# Altium PCB TempdevAmmy0803.PcbDoc (part 2 of 4)
Units mm, origin at the board's own origin, x right, y up, seen from the top; angles counter-clockwise.
Board outline 80.01 x 100.08 mm, 2 copper layers (Top Layer, Bottom Layer); 912 components, 585 nets, 2878 pads, 106 vias.
Unrouted connection lines stored in the file: 2039.
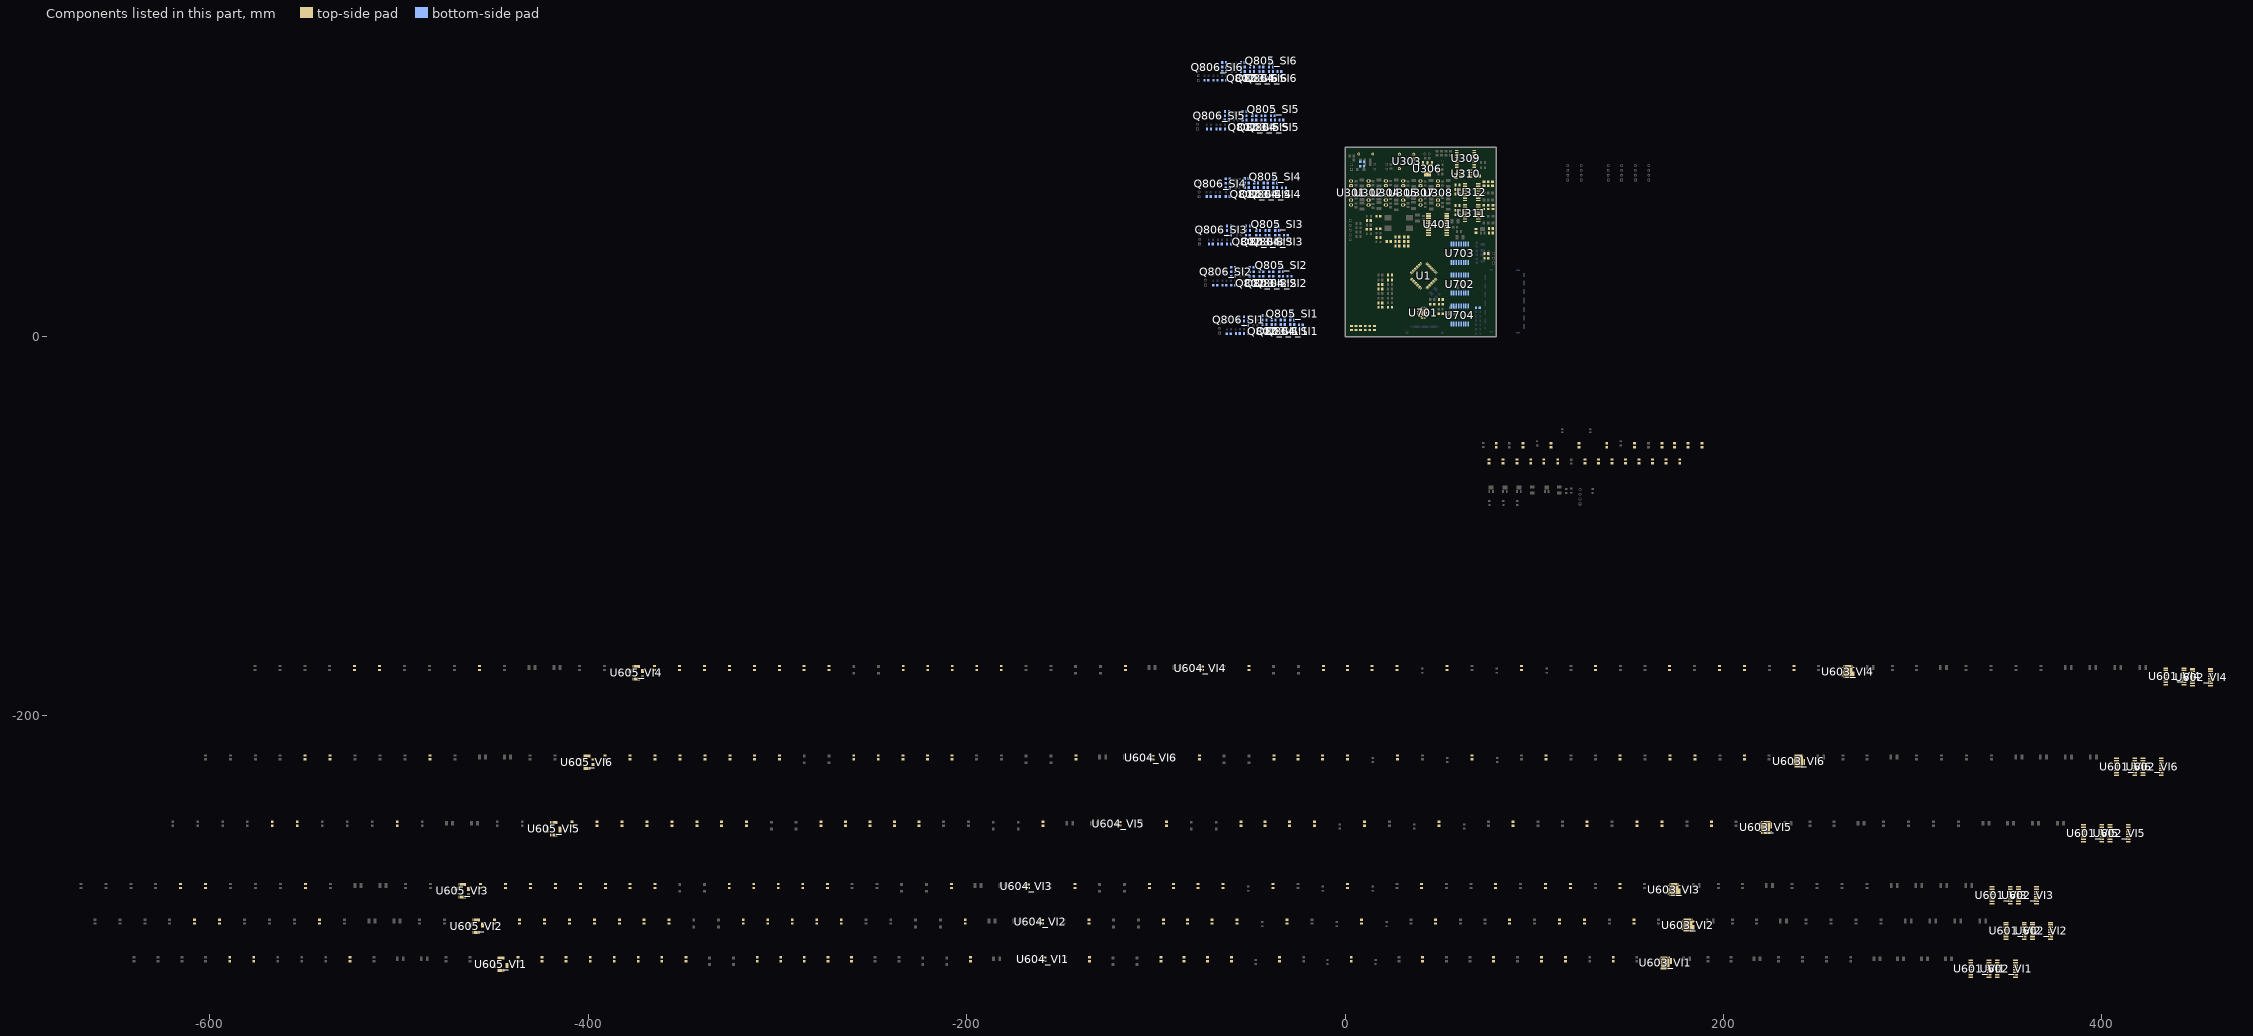
[diagram p2: the components of this part, seen from the top]

## Components (designator, comment, footprint, x,y, rotation, side; value= is the part's Value field where it differs from the comment) (continued)
Q802_SI1 "MMSS8550" SOT-23-BJT -36.576,3.871 r270 bottom (schematic designator Q802)
Q802_SI2 "MMSS8550" SOT-23-BJT -42.926,29.271 r270 bottom (schematic designator Q802)
Q802_SI3 "MMSS8550" SOT-23-BJT -44.831,50.988 r270 bottom (schematic designator Q802)
Q802_SI4 "MMSS8550" SOT-23-BJT -45.847,76.261 r270 bottom (schematic designator Q802)
Q802_SI5 "MMSS8550" SOT-23-BJT -46.863,111.694 r270 bottom (schematic designator Q802)
Q802_SI6 "MMSS8550" SOT-23-BJT -47.752,137.475 r270 bottom (schematic designator Q802)
Q803_SI1 "MMSS8050" SOT-23-BJT -31.75,3.871 r270 bottom (schematic designator Q803)
Q803_SI2 "MMSS8050" SOT-23-BJT -37.846,29.271 r270 bottom (schematic designator Q803)
Q803_SI3 "MMSS8050" SOT-23-BJT -40.005,50.988 r270 bottom (schematic designator Q803)
Q803_SI4 "MMSS8050" SOT-23-BJT -40.894,76.261 r270 bottom (schematic designator Q803)
Q803_SI5 "MMSS8050" SOT-23-BJT -41.91,111.694 r270 bottom (schematic designator Q803)
Q803_SI6 "MMSS8050" SOT-23-BJT -43.053,137.475 r270 bottom (schematic designator Q803)
Q804_SI1 "MMSS8550" SOT-23-BJT -26.797,3.871 r270 bottom (schematic designator Q804)
Q804_SI2 "MMSS8550" SOT-23-BJT -32.639,29.144 r270 bottom (schematic designator Q804)
Q804_SI3 "MMSS8550" SOT-23-BJT -34.671,50.988 r270 bottom (schematic designator Q804)
Q804_SI4 "MMSS8550" SOT-23-BJT -35.814,76.261 r270 bottom (schematic designator Q804)
Q804_SI5 "MMSS8550" SOT-23-BJT -36.957,111.694 r270 bottom (schematic designator Q804)
Q804_SI6 "MMSS8550" SOT-23-BJT -37.973,137.475 r270 bottom (schematic designator Q804)
Q805_SI1 "BSS138" SOT-23(SS8050) -26.924,11.049 r180 bottom (schematic designator Q805)
Q805_SI2 "BSS138" SOT-23(SS8050) -32.766,36.576 r180 bottom (schematic designator Q805)
Q805_SI3 "BSS138" SOT-23(SS8050) -34.798,58.293 r180 bottom (schematic designator Q805)
Q805_SI4 "BSS138" SOT-23(SS8050) -35.941,83.439 r180 bottom (schematic designator Q805)
Q805_SI5 "BSS138" SOT-23(SS8050) -37.084,118.999 r180 bottom (schematic designator Q805)
Q805_SI6 "BSS138" SOT-23(SS8050) -38.1,144.653 r180 bottom (schematic designator Q805)
Q806_SI1 "Si1024X" SOT563 -56.777,9.563 r270 bottom (schematic designator Q806)
Q806_SI2 "Si1024X" SOT563 -63.508,35.141 r270 bottom (schematic designator Q806)
Q806_SI3 "Si1024X" SOT563 -65.913,57.15 r270 bottom (schematic designator Q806)
Q806_SI4 "Si1024X" SOT563 -66.421,81.534 r270 bottom (schematic designator Q806)
Q806_SI5 "Si1024X" SOT563 -66.921,117.513 r270 bottom (schematic designator Q806)
Q806_SI6 "Si1024X" SOT563 -68.072,143.04 r270 bottom (schematic designator Q806)
R201 "RC0805JR-000KL" 0805R#1 50.673,19.685 r180 top value=0R
R202 "RC0805JR-07120RL" 0805R#1 50.673,17.145 r180 top value=120
R203 "RC0805JR-0710KL" 0805R#1 46.101,17.145 r180 top value=10K
R204 "RC0805JR-0720RL" 0805R#1 74.676,43.942 r180 top value=20
R205 "RC0805JR-0720RL" 0805R#1 74.676,41.402 r180 top value=20
R206 "RC0805JR-0710KL" 0805R#1 32.369,52.705 r0 top value=10K
R207 "RC0805JR-0710KL" 0805R#1 27.686,47.879 r180 top value=10K
R208 "RC0805JR-0710KL" 0805R#1 27.702,50.292 r180 top value=10K
R209 "RC0805JR-0710KL" 0805R#1 32.369,47.879 r0 top value=NC
R210 "RC0805JR-0710KL" 0805R#1 32.369,50.292 r0 top value=NC
R211 "RC0805JR-0710KL" 0805R#1 27.686,52.705 r180 top value=NC
R212 "RC0805JR-000KL" 0805R#1 23.098,50.292 r0 top value=0R
R213 "RC0805JR-0710KL" 0805R#1 70.231,15.24 r180 bottom value=10K
R301 "PNP-200KJBJ26-10R" 0805R#2 10.049,92.456 r180 bottom value=10
R302 "PNP-200KJBJ26-10R" 0805R#2 10.049,90.043 r180 bottom value=10
R303 "10D470K" 10D470K 10.989,96.52 r180 bottom
R304 "RC0805JR-071KL" 0805R#1 58.674,84.947 r90 top value=1K
R305 "RC0805JR-07470RL" 0805R#1 70.104,84.963 r0 top value=470
R306 "RC0805JR-071KL" 0805R#1 73.279,68.453 r270 top value=1K
R307 "RC0805JR-071KL" 0805R#1 75.692,68.453 r270 top value=1K
R308 "RC0805JR-071KL" 0805R#1 78.105,68.453 r270 top value=1K
R309 "RC0805JR-071KL" 0805R#1 73.406,80.772 r270 top value=1K
R310 "RC0805JR-071KL" 0805R#1 75.692,80.772 r270 top value=1K
R311 "RC0805JR-071KL" 0805R#1 77.978,80.772 r270 top value=1K
R312 "RC0805JR-074700RL" 0805R#1 59.452,69.215 r180 top value=4.7K
R313 "RC0805JR-074700RL" 0805R#1 59.452,66.802 r180 top value=4.7K
R314 "RC0805JR-0710KL" 0805R#1 69.215,55.864 r90 top value=10K
R315 "RC0805JR-074700RL" 0805R#1 59.452,64.389 r180 top value=4.7K
R316 "RC0805JR-074700RL" 0805R#1 59.436,80.137 r180 top value=4.7K
R317 "RC0805JR-071KL" 0805R#1 77.089,57.15 r0 top value=1K
R318 "RC0805JR-071KL" 0805R#1 77.089,54.737 r180 top value=1K
R319 "RC0805JR-074700RL" 0805R#1 59.452,77.724 r180 top value=4.7K
R320 "RC0805JR-074700RL" 0805R#1 59.452,75.311 r180 top value=4.7K
R401 "RC0805JR-0710KL" 0805R#1 12.573,61.341 r0 top value=10K
R402 "RC0805JR-0720RL" 0805R#1 17.653,63.627 r180 top value=20
R403 "" 0805R#1 12.557,56.769 r0 top value=3.9K
R404 "RC0805JR-0720RL" 0805R#1 17.637,57.023 r0 top value=20
R405 "RC0805JR-0710KL" 0805R#1 17.669,52.324 r180 top value=10K
R501 "0805L075" 0805R#1 79.883,-57.404 r270 top value=PTC
R502 "" 0805R#1 94.107,-57.404 r270 top value=NC
R503 "RC0805JR-0720RL" 0805R#1 108.839,-57.404 r270 top value=20
R504 "RC0805JR-0720RL" 0805R#1 123.571,-57.404 r270 top value=20
R505 "" 0805R#1 138.303,-57.404 r270 top value=1.5K
R506 "0805L075" 0805R#1 153.035,-57.404 r270 top value=PTC
R507 "RC0805JR-0710KL" 0805R#1 169.545,-65.913 r90 top value=10K
R508 "RC0805JR-0710KL" 0805R#1 176.911,-65.913 r90 top value=10K
R509 "RC0805JR-0710KL" 0805R#1 188.595,-57.404 r270 top value=10K
R510 "RC0805JR-0710KL" 0805R#1 181.229,-57.404 r270 top value=10K
R511 "RC0805JR-0710KL" 0805R#1 174.117,-57.404 r270 top value=10K
R512 "RC0805JR-0710KL" 0805R#1 167.513,-57.404 r270 top value=10K
R513 "RC0805JR-0710KL" 0805R#1 141.097,-65.913 r90 top value=10K
R514 "RC0805JR-0710KL" 0805R#1 148.209,-65.913 r90 top value=10K
R515 "RC0805JR-0710KL" 0805R#1 155.321,-65.913 r90 top value=10K
R516 "RC0805JR-0710KL" 0805R#1 162.433,-65.913 r90 top value=10K
R517 "RC0805JR-07120RL" 0805R#1 133.985,-65.913 r90 top value=120
R518 "RC0805JR-0710KL" 0805R#1 126.873,-65.913 r90 top value=10K
R519 "RC0805JR-07120RL" 0805R#1 112.395,-65.913 r90 top value=120
R520 "RC0805JR-0710KL" 0805R#1 105.029,-65.913 r90 top value=10K
R521 "RC0805JR-07120RL" 0805R#1 98.171,-65.913 r90 top value=120
R522 "RC0805JR-0710KL" 0805R#1 90.805,-65.913 r90 top value=10K
R523 "RC0805JR-07120RL" 0805R#1 83.439,-65.913 r90 top value=120
R524 "RC0805JR-0710KL" 0805R#1 76.073,-65.913 r90 top value=10K
R601_VI1 "RC0805JR-0710KL" 0805R#2 141.732,-330.073 r90 top value=10K (schematic designator R601)
R601_VI2 "RC0805JR-0710KL" 0805R#2 152.654,-310.134 r90 top value=10K (schematic designator R601)
R601_VI3 "RC0805JR-0710KL" 0805R#2 145.263,-291.338 r90 top value=10K (schematic designator R601)
R601_VI4 "RC0805JR-0710KL" 0805R#2 237.211,-176.149 r90 top value=10K (schematic designator R601)
R601_VI5 "RC0805JR-0710KL" 0805R#2 193.675,-258.445 r90 top value=10K (schematic designator R601)
R601_VI6 "RC0805JR-0710KL" 0805R#2 211.074,-223.393 r90 top value=10K (schematic designator R601)
R602_VI1 "RC0805JR-000KL" 0805R#2 116.586,-330.073 r90 top value=0R (schematic designator R602)
R602_VI2 "RC0805JR-000KL" 0805R#2 126.492,-310.134 r90 top value=0R (schematic designator R602)
R602_VI3 "RC0805JR-000KL" 0805R#2 119.101,-291.338 r90 top value=0R (schematic designator R602)
R602_VI4 "RC0805JR-000KL" 0805R#2 211.049,-176.149 r90 top value=0R (schematic designator R602)
R602_VI5 "RC0805JR-000KL" 0805R#2 167.513,-258.445 r90 top value=0R (schematic designator R602)
R602_VI6 "RC0805JR-000KL" 0805R#2 184.912,-223.393 r90 top value=0R (schematic designator R602)
R603_VI1 "RC0805JR-073KL" 0805R#2 103.886,-330.073 r90 top value=13.7K (schematic designator R603)
R603_VI2 "RC0805JR-073KL" 0805R#2 113.284,-310.134 r90 top value=13.7K (schematic designator R603)
R603_VI3 "RC0805JR-073KL" 0805R#2 105.893,-291.338 r90 top value=13.7K (schematic designator R603)
R603_VI4 "RC0805JR-073KL" 0805R#2 197.841,-176.149 r90 top value=13.7K (schematic designator R603)
R603_VI5 "RC0805JR-073KL" 0805R#2 154.305,-258.445 r90 top value=13.7K (schematic designator R603)
R603_VI6 "RC0805JR-073KL" 0805R#2 171.704,-223.393 r90 top value=13.7K (schematic designator R603)
R604_VI1 "RC0805JR-000KL" 0805R#2 78.486,-330.073 r90 top value=0R (schematic designator R604)
R604_VI2 "RC0805JR-000KL" 0805R#2 86.868,-310.134 r90 top value=0R (schematic designator R604)
R604_VI3 "RC0805JR-000KL" 0805R#2 79.477,-291.338 r90 top value=0R (schematic designator R604)
R604_VI4 "RC0805JR-000KL" 0805R#2 171.425,-176.149 r90 top value=0R (schematic designator R604)
R604_VI5 "RC0805JR-000KL" 0805R#2 127.889,-258.445 r90 top value=0R (schematic designator R604)
R604_VI6 "RC0805JR-000KL" 0805R#2 145.288,-223.393 r90 top value=0R (schematic designator R604)
R605_VI1 "RC0805JR-000KL" 0805R#2 40.894,-330.073 r90 top value=0R (schematic designator R605)
R605_VI2 "RC0805JR-000KL" 0805R#2 47.752,-310.134 r90 top value=0R (schematic designator R605)
R605_VI3 "RC0805JR-000KL" 0805R#2 40.361,-291.338 r90 top value=0R (schematic designator R605)
R605_VI4 "RC0805JR-000KL" 0805R#2 132.309,-176.149 r90 top value=0R (schematic designator R605)
R605_VI5 "RC0805JR-000KL" 0805R#2 88.773,-258.445 r90 top value=0R (schematic designator R605)
R605_VI6 "RC0805JR-000KL" 0805R#2 106.172,-223.393 r90 top value=0R (schematic designator R605)
R606_VI1 "" 0805R#2 3.302,-330.073 r90 top value=10R (schematic designator R606)
R606_VI2 "" 0805R#2 8.636,-310.134 r90 top value=10R (schematic designator R606)
R606_VI3 "" 0805R#2 1.245,-291.338 r90 top value=10R (schematic designator R606)
R606_VI4 "" 0805R#2 93.193,-176.149 r90 top value=10R (schematic designator R606)
R606_VI5 "" 0805R#2 49.657,-258.445 r90 top value=10R (schematic designator R606)
R606_VI6 "" 0805R#2 67.056,-223.393 r90 top value=10R (schematic designator R606)
R607_VI1 "RC0805JR-074700RL" 0805R#2 -34.544,-330.073 r90 top value=4.7K (schematic designator R607)
R607_VI2 "RC0805JR-074700RL" 0805R#2 -30.734,-310.134 r90 top value=4.7K (schematic designator R607)
R607_VI3 "RC0805JR-074700RL" 0805R#2 -38.125,-291.338 r90 top value=4.7K (schematic designator R607)
R607_VI4 "RC0805JR-074700RL" 0805R#2 53.823,-176.149 r90 top value=4.7K (schematic designator R607)
R607_VI5 "RC0805JR-074700RL" 0805R#2 10.287,-258.445 r90 top value=4.7K (schematic designator R607)
R607_VI6 "RC0805JR-074700RL" 0805R#2 27.686,-223.393 r90 top value=4.7K (schematic designator R607)
R608_VI1 "RC0805JR-071KL" 0805R#2 -59.944,-330.073 r90 top value=1K (schematic designator R608)
R608_VI2 "RC0805JR-071KL" 0805R#2 -57.15,-310.134 r90 top value=1K (schematic designator R608)
R608_VI3 "RC0805JR-071KL" 0805R#2 -64.541,-291.338 r90 top value=1K (schematic designator R608)
R608_VI4 "RC0805JR-071KL" 0805R#2 27.407,-176.149 r90 top value=1K (schematic designator R608)
R608_VI5 "RC0805JR-071KL" 0805R#2 -16.129,-258.445 r90 top value=1K (schematic designator R608)
R608_VI6 "RC0805JR-071KL" 0805R#2 1.27,-223.393 r90 top value=1K (schematic designator R608)
R609_VI1 "RC0805JR-071KL" 0805R#2 -72.644,-330.073 r90 top value=1K (schematic designator R609)
R609_VI2 "RC0805JR-071KL" 0805R#2 -70.358,-310.134 r90 top value=1K (schematic designator R609)
R609_VI3 "RC0805JR-071KL" 0805R#2 -77.749,-291.338 r90 top value=1K (schematic designator R609)
R609_VI4 "RC0805JR-071KL" 0805R#2 14.199,-176.149 r90 top value=1K (schematic designator R609)
R609_VI5 "RC0805JR-071KL" 0805R#2 -29.337,-258.445 r90 top value=1K (schematic designator R609)
R609_VI6 "RC0805JR-071KL" 0805R#2 -11.938,-223.393 r90 top value=1K (schematic designator R609)
R610_VI1 "RC0805JR-071KL" 0805R#2 -85.09,-330.073 r90 top value=1K (schematic designator R610)
R610_VI2 "RC0805JR-071KL" 0805R#2 -83.312,-310.134 r90 top value=1K (schematic designator R610)
R610_VI3 "RC0805JR-071KL" 0805R#2 -90.703,-291.338 r90 top value=1K (schematic designator R610)
R610_VI4 "RC0805JR-071KL" 0805R#2 1.245,-176.149 r90 top value=1K (schematic designator R610)
R610_VI5 "RC0805JR-071KL" 0805R#2 -42.291,-258.445 r90 top value=1K (schematic designator R610)
R610_VI6 "RC0805JR-071KL" 0805R#2 -24.892,-223.393 r90 top value=1K (schematic designator R610)
R611_VI1 "RC0805JR-071KL" 0805R#2 -97.282,-330.073 r90 top value=1K (schematic designator R611)
R611_VI2 "RC0805JR-071KL" 0805R#2 -96.012,-310.134 r90 top value=1K (schematic designator R611)
R611_VI3 "RC0805JR-071KL" 0805R#2 -103.403,-291.338 r90 top value=1K (schematic designator R611)
R611_VI4 "RC0805JR-071KL" 0805R#2 -11.455,-176.149 r90 top value=1K (schematic designator R611)
R611_VI5 "RC0805JR-071KL" 0805R#2 -54.991,-258.445 r90 top value=1K (schematic designator R611)
R611_VI6 "RC0805JR-071KL" 0805R#2 -37.592,-223.393 r90 top value=1K (schematic designator R611)
R612_VI1 "RC0805JR-073KL" 0805R#2 -135.128,-330.073 r90 top value=3K (schematic designator R612)
R612_VI2 "RC0805JR-073KL" 0805R#2 -135.382,-310.134 r90 top value=3K (schematic designator R612)
R612_VI3 "RC0805JR-073KL" 0805R#2 -142.773,-291.338 r90 top value=3K (schematic designator R612)
R612_VI4 "RC0805JR-073KL" 0805R#2 -50.825,-176.149 r90 top value=3K (schematic designator R612)
R612_VI5 "RC0805JR-073KL" 0805R#2 -94.361,-258.445 r90 top value=3K (schematic designator R612)
R612_VI6 "RC0805JR-073KL" 0805R#2 -76.962,-223.393 r90 top value=3K (schematic designator R612)
R613_VI1 "RC0805JR-000KL" 0805R#2 -197.866,-330.073 r90 top value=0R (schematic designator R613)
R613_VI2 "RC0805JR-000KL" 0805R#2 -200.66,-310.134 r90 top value=0R (schematic designator R613)
R613_VI3 "RC0805JR-000KL" 0805R#2 -208.051,-291.338 r90 top value=0R (schematic designator R613)
R613_VI4 "RC0805JR-000KL" 0805R#2 -116.103,-176.149 r90 top value=0R (schematic designator R613)
R613_VI5 "RC0805JR-000KL" 0805R#2 -159.639,-258.445 r90 top value=0R (schematic designator R613)
R613_VI6 "RC0805JR-000KL" 0805R#2 -142.24,-223.393 r90 top value=0R (schematic designator R613)
R614_VI1 "RC0805JR-000KL" 0805R#2 -260.858,-330.073 r90 top value=0R (schematic designator R614)
R614_VI2 "RC0805JR-000KL" 0805R#2 -266.192,-310.134 r90 top value=0R (schematic designator R614)
R614_VI3 "RC0805JR-000KL" 0805R#2 -273.583,-291.338 r90 top value=0R (schematic designator R614)
R614_VI4 "RC0805JR-000KL" 0805R#2 -181.635,-176.149 r90 top value=0R (schematic designator R614)
R614_VI5 "RC0805JR-000KL" 0805R#2 -225.171,-258.445 r90 top value=0R (schematic designator R614)
R614_VI6 "RC0805JR-000KL" 0805R#2 -207.772,-223.393 r90 top value=0R (schematic designator R614)
R615_VI1 "RC0805JR-073KL" 0805R#2 -285.75,-330.073 r90 top value=3K (schematic designator R615)
R615_VI2 "RC0805JR-073KL" 0805R#2 -292.1,-310.134 r90 top value=3K (schematic designator R615)
R615_VI3 "RC0805JR-073KL" 0805R#2 -299.491,-291.338 r90 top value=3K (schematic designator R615)
R615_VI4 "RC0805JR-073KL" 0805R#2 -207.543,-176.149 r90 top value=3K (schematic designator R615)
R615_VI5 "RC0805JR-073KL" 0805R#2 -251.079,-258.445 r90 top value=3K (schematic designator R615)
R615_VI6 "RC0805JR-073KL" 0805R#2 -233.68,-223.393 r90 top value=3K (schematic designator R615)
R616_VI1 "RC0805JR-0710KL" 0805R#2 -273.304,-330.073 r90 top value=10K (schematic designator R616)
R616_VI2 "RC0805JR-0710KL" 0805R#2 -279.146,-310.134 r90 top value=10K (schematic designator R616)
R616_VI3 "RC0805JR-0710KL" 0805R#2 -286.537,-291.338 r90 top value=10K (schematic designator R616)
R616_VI4 "RC0805JR-0710KL" 0805R#2 -194.589,-176.149 r90 top value=10K (schematic designator R616)
R616_VI5 "RC0805JR-0710KL" 0805R#2 -238.125,-258.445 r90 top value=10K (schematic designator R616)
R616_VI6 "RC0805JR-0710KL" 0805R#2 -220.726,-223.393 r90 top value=10K (schematic designator R616)
R617_VI1 "RC0805JR-000KL" 0805R#2 -298.196,-330.073 r90 top value=0R (schematic designator R617)
R617_VI2 "RC0805JR-000KL" 0805R#2 -305.054,-310.134 r90 top value=0R (schematic designator R617)
R617_VI3 "RC0805JR-000KL" 0805R#2 -312.445,-291.338 r90 top value=0R (schematic designator R617)
R617_VI4 "RC0805JR-000KL" 0805R#2 -220.497,-176.149 r90 top value=0R (schematic designator R617)
R617_VI5 "RC0805JR-000KL" 0805R#2 -264.033,-258.445 r90 top value=0R (schematic designator R617)
R617_VI6 "RC0805JR-000KL" 0805R#2 -246.634,-223.393 r90 top value=0R (schematic designator R617)
R618_VI1 "RC0805JR-0710KL" 0805R#2 -310.642,-330.073 r90 top value=10K (schematic designator R618)
R618_VI2 "RC0805JR-0710KL" 0805R#2 -318.008,-310.134 r90 top value=10K (schematic designator R618)
R618_VI3 "RC0805JR-0710KL" 0805R#2 -325.399,-291.338 r90 top value=10K (schematic designator R618)
R618_VI4 "RC0805JR-0710KL" 0805R#2 -233.451,-176.149 r90 top value=10K (schematic designator R618)
R618_VI5 "RC0805JR-0710KL" 0805R#2 -276.987,-258.445 r90 top value=10K (schematic designator R618)
R618_VI6 "RC0805JR-0710KL" 0805R#2 -259.588,-223.393 r90 top value=10K (schematic designator R618)
R619_VI1 "RC0805JR-000KL" 0805R#2 -348.361,-330.073 r90 top value=0R (schematic designator R619)
R619_VI2 "RC0805JR-000KL" 0805R#2 -357.251,-310.134 r90 top value=0R (schematic designator R619)
R619_VI3 "RC0805JR-000KL" 0805R#2 -364.642,-291.338 r90 top value=0R (schematic designator R619)
R619_VI4 "RC0805JR-000KL" 0805R#2 -272.694,-176.149 r90 top value=0R (schematic designator R619)
R619_VI5 "RC0805JR-000KL" 0805R#2 -316.23,-258.445 r90 top value=0R (schematic designator R619)
R619_VI6 "RC0805JR-000KL" 0805R#2 -298.831,-223.393 r90 top value=0R (schematic designator R619)
R620_VI1 "RC0805JR-0710KL" 0805R#2 -361.061,-330.073 r90 top value=10K (schematic designator R620)
R620_VI2 "RC0805JR-0710KL" 0805R#2 -370.459,-310.134 r90 top value=10K (schematic designator R620)
R620_VI3 "RC0805JR-0710KL" 0805R#2 -377.85,-291.338 r90 top value=10K (schematic designator R620)
R620_VI4 "RC0805JR-0710KL" 0805R#2 -285.902,-176.149 r90 top value=10K (schematic designator R620)
R620_VI5 "RC0805JR-0710KL" 0805R#2 -329.438,-258.445 r90 top value=10K (schematic designator R620)
R620_VI6 "RC0805JR-0710KL" 0805R#2 -312.039,-223.393 r90 top value=10K (schematic designator R620)
R621_VI1 "RC0805JR-000KL" 0805R#2 -373.507,-330.073 r90 top value=0R (schematic designator R621)
R621_VI2 "RC0805JR-000KL" 0805R#2 -383.413,-310.134 r90 top value=0R (schematic designator R621)
R621_VI3 "RC0805JR-000KL" 0805R#2 -390.804,-291.338 r90 top value=0R (schematic designator R621)
R621_VI4 "RC0805JR-000KL" 0805R#2 -298.856,-176.149 r90 top value=0R (schematic designator R621)
R621_VI5 "RC0805JR-000KL" 0805R#2 -342.392,-258.445 r90 top value=0R (schematic designator R621)
R621_VI6 "RC0805JR-000KL" 0805R#2 -324.993,-223.393 r90 top value=0R (schematic designator R621)
R622_VI1 "RC0805JR-000KL" 0805R#2 -386.207,-330.073 r90 top value=0R (schematic designator R622)
R622_VI2 "RC0805JR-000KL" 0805R#2 -396.621,-310.134 r90 top value=0R (schematic designator R622)
R622_VI3 "RC0805JR-000KL" 0805R#2 -404.012,-291.338 r90 top value=0R (schematic designator R622)
R622_VI4 "RC0805JR-000KL" 0805R#2 -312.064,-176.149 r90 top value=0R (schematic designator R622)
R622_VI5 "RC0805JR-000KL" 0805R#2 -355.6,-258.445 r90 top value=0R (schematic designator R622)
R622_VI6 "RC0805JR-000KL" 0805R#2 -338.201,-223.393 r90 top value=0R (schematic designator R622)
R623_VI1 "RC0805JR-0710KL" 0805R#2 -398.907,-330.073 r90 top value=10K (schematic designator R623)
R623_VI2 "RC0805JR-0710KL" 0805R#2 -409.829,-310.134 r90 top value=10K (schematic designator R623)
R623_VI3 "RC0805JR-0710KL" 0805R#2 -417.22,-291.338 r90 top value=10K (schematic designator R623)
R623_VI4 "RC0805JR-0710KL" 0805R#2 -325.272,-176.149 r90 top value=10K (schematic designator R623)
R623_VI5 "RC0805JR-0710KL" 0805R#2 -368.808,-258.445 r90 top value=10K (schematic designator R623)
R623_VI6 "RC0805JR-0710KL" 0805R#2 -351.409,-223.393 r90 top value=10K (schematic designator R623)
R624_VI1 "RC0805JR-0710KL" 0805R#2 -411.607,-330.073 r90 top value=10K (schematic designator R624)
R624_VI2 "RC0805JR-0710KL" 0805R#2 -423.037,-310.134 r90 top value=10K (schematic designator R624)
R624_VI3 "RC0805JR-0710KL" 0805R#2 -430.428,-291.338 r90 top value=10K (schematic designator R624)
R624_VI4 "RC0805JR-0710KL" 0805R#2 -338.48,-176.149 r90 top value=10K (schematic designator R624)
R624_VI5 "RC0805JR-0710KL" 0805R#2 -382.016,-258.445 r90 top value=10K (schematic designator R624)
R624_VI6 "RC0805JR-0710KL" 0805R#2 -364.617,-223.393 r90 top value=10K (schematic designator R624)
R625_VI1 "RC0805JR-000KL" 0805R#2 -424.307,-330.073 r90 top value=0R (schematic designator R625)
R625_VI2 "RC0805JR-000KL" 0805R#2 -436.245,-310.134 r90 top value=0R (schematic designator R625)
R625_VI3 "RC0805JR-000KL" 0805R#2 -443.636,-291.338 r90 top value=0R (schematic designator R625)
R625_VI4 "RC0805JR-000KL" 0805R#2 -351.688,-176.149 r90 top value=0R (schematic designator R625)
R625_VI5 "RC0805JR-000KL" 0805R#2 -395.224,-258.445 r90 top value=0R (schematic designator R625)
R625_VI6 "RC0805JR-000KL" 0805R#2 -377.825,-223.393 r90 top value=0R (schematic designator R625)
R626_VI1 "RC0805JR-0710KL" 0805R#2 -437.007,-330.073 r90 top value=10K (schematic designator R626)
R626_VI2 "RC0805JR-0710KL" 0805R#2 -449.453,-310.134 r90 top value=10K (schematic designator R626)
R626_VI3 "RC0805JR-0710KL" 0805R#2 -456.844,-291.338 r90 top value=10K (schematic designator R626)
R626_VI4 "RC0805JR-0710KL" 0805R#2 -364.896,-176.149 r90 top value=10K (schematic designator R626)
R626_VI5 "RC0805JR-0710KL" 0805R#2 -408.432,-258.445 r90 top value=10K (schematic designator R626)
R626_VI6 "RC0805JR-0710KL" 0805R#2 -391.033,-223.393 r90 top value=10K (schematic designator R626)
R627_VI1 "" 0805R#2 -525.907,-330.073 r90 top value=150K (schematic designator R627)
R627_VI2 "" 0805R#2 -541.909,-310.134 r90 top value=150K (schematic designator R627)
R627_VI3 "" 0805R#2 -549.3,-291.338 r90 top value=150K (schematic designator R627)
R627_VI4 "" 0805R#2 -457.352,-176.149 r90 top value=150K (schematic designator R627)
R627_VI5 "" 0805R#2 -500.888,-258.445 r90 top value=150K (schematic designator R627)
R627_VI6 "" 0805R#2 -483.489,-223.393 r90 top value=150K (schematic designator R627)
R628_VI1 "" 0805R#2 -576.707,-330.073 r90 top value=1.2M (schematic designator R628)
R628_VI2 "" 0805R#2 -594.741,-310.134 r90 top value=1.2M (schematic designator R628)
R628_VI3 "" 0805R#2 -602.132,-291.338 r90 top value=1.2M (schematic designator R628)
R628_VI4 "" 0805R#2 -510.184,-176.149 r90 top value=1.2M (schematic designator R628)
R628_VI5 "" 0805R#2 -553.72,-258.445 r90 top value=1.2M (schematic designator R628)
R628_VI6 "" 0805R#2 -536.321,-223.393 r90 top value=1.2M (schematic designator R628)
R629_VI1 "" 0805R#2 -589.407,-330.073 r90 top value=1.2M (schematic designator R629)
R629_VI2 "" 0805R#2 -607.949,-310.134 r90 top value=1.2M (schematic designator R629)
R629_VI3 "" 0805R#2 -615.34,-291.338 r90 top value=1.2M (schematic designator R629)
R629_VI4 "" 0805R#2 -523.392,-176.149 r90 top value=1.2M (schematic designator R629)
R629_VI5 "" 0805R#2 -566.928,-258.445 r90 top value=1.2M (schematic designator R629)
R629_VI6 "" 0805R#2 -549.529,-223.393 r90 top value=1.2M (schematic designator R629)
R701 "RC0805JR-075600RL" 0805R#1 18.669,25.146 r0 top value=5.6K
R702 "RC0805JR-071KL" 0805R#1 18.653,27.559 r0 top value=1K
R703 "RC0805JR-071KL" 0805R#1 23.733,32.512 r0 top value=1K
R704 "RC0805JR-07470RL" 0805R#1 23.733,29.972 r0 top value=470
R705 "RC0805JR-000KL" 0805R#1 50.546,12.065 r0 top value=0R
R706 "RC0805JR-071KL" 0805R#1 23.749,15.494 r180 top value=1K
R707 "RC0805JR-075600RL" 0805R#1 18.653,15.494 r0 top value=5.6K
R708 "RC0805JR-071KL" 0805R#1 18.669,17.78 r180 top value=1K
R801_SI1 "RC0805JR-0710KL" 0805R#1 -37.719,8.763 r0 bottom value=10K (schematic designator R801)
R801_SI2 "RC0805JR-0710KL" 0805R#1 -44.196,34.29 r0 bottom value=10K (schematic designator R801)
R801_SI3 "RC0805JR-0710KL" 0805R#1 -45.974,56.007 r0 bottom value=10K (schematic designator R801)
R801_SI4 "RC0805JR-0710KL" 0805R#1 -46.99,81.153 r0 bottom value=10K (schematic designator R801)
R801_SI5 "RC0805JR-0710KL" 0805R#1 -48.006,116.713 r0 bottom value=10K (schematic designator R801)
R801_SI6 "RC0805JR-0710KL" 0805R#1 -49.149,142.494 r0 bottom value=10K (schematic designator R801)
R802_SI1 "RC0805JR-0710KL" 0805R#1 -42.545,8.763 r0 bottom value=10K (schematic designator R802)
R802_SI2 "RC0805JR-0710KL" 0805R#1 -49.276,34.29 r0 bottom value=10K (schematic designator R802)
R802_SI3 "RC0805JR-0710KL" 0805R#1 -51.308,56.007 r0 bottom value=10K (schematic designator R802)
R802_SI4 "RC0805JR-0710KL" 0805R#1 -51.943,81.153 r0 bottom value=10K (schematic designator R802)
R802_SI5 "RC0805JR-0710KL" 0805R#1 -53.086,116.713 r0 bottom value=10K (schematic designator R802)
R802_SI6 "RC0805JR-0710KL" 0805R#1 -53.975,142.494 r0 bottom value=10K (schematic designator R802)
R803_SI1 "RC0805JR-0710KL" 0805R#1 -42.545,11.176 r0 bottom value=10K (schematic designator R803)
R803_SI2 "RC0805JR-0710KL" 0805R#1 -49.276,36.703 r0 bottom value=10K (schematic designator R803)
R803_SI3 "RC0805JR-0710KL" 0805R#1 -51.308,58.42 r0 bottom value=10K (schematic designator R803)
R803_SI4 "RC0805JR-0710KL" 0805R#1 -51.943,83.566 r0 bottom value=10K (schematic designator R803)
R803_SI5 "RC0805JR-0710KL" 0805R#1 -53.086,118.999 r0 bottom value=10K (schematic designator R803)
R803_SI6 "RC0805JR-0710KL" 0805R#1 -53.975,144.907 r0 bottom value=10K (schematic designator R803)
R804_SI1 "RC0805JR-0710KL" 0805R#1 -37.719,6.35 r0 bottom value=10K (schematic designator R804)
R804_SI2 "RC0805JR-0710KL" 0805R#1 -44.196,31.877 r0 bottom value=10K (schematic designator R804)
R804_SI3 "RC0805JR-0710KL" 0805R#1 -45.974,53.594 r0 bottom value=10K (schematic designator R804)
R804_SI4 "RC0805JR-0710KL" 0805R#1 -46.99,78.74 r0 bottom value=10K (schematic designator R804)
R804_SI5 "RC0805JR-0710KL" 0805R#1 -48.006,114.427 r0 bottom value=10K (schematic designator R804)
R804_SI6 "RC0805JR-0710KL" 0805R#1 -49.149,140.081 r0 bottom value=10K (schematic designator R804)
R805_SI1 "RC0805JR-0710KL" 0805R#1 -32.893,8.763 r0 bottom value=10K (schematic designator R805)
R805_SI2 "RC0805JR-0710KL" 0805R#1 -38.989,34.29 r0 bottom value=10K (schematic designator R805)
R805_SI3 "RC0805JR-0710KL" 0805R#1 -41.021,56.007 r0 bottom value=10K (schematic designator R805)
R805_SI4 "RC0805JR-0710KL" 0805R#1 -41.91,81.153 r0 bottom value=10K (schematic designator R805)
R805_SI5 "RC0805JR-0710KL" 0805R#1 -43.18,116.713 r0 bottom value=10K (schematic designator R805)
R805_SI6 "RC0805JR-0710KL" 0805R#1 -44.196,142.494 r0 bottom value=10K (schematic designator R805)
R806_SI1 "RC0805JR-0710KL" 0805R#1 -32.893,6.35 r0 bottom value=10K (schematic designator R806)
R806_SI2 "RC0805JR-0710KL" 0805R#1 -38.989,31.877 r0 bottom value=10K (schematic designator R806)
R806_SI3 "RC0805JR-0710KL" 0805R#1 -41.021,53.594 r0 bottom value=10K (schematic designator R806)
R806_SI4 "RC0805JR-0710KL" 0805R#1 -41.91,78.74 r0 bottom value=10K (schematic designator R806)
R806_SI5 "RC0805JR-0710KL" 0805R#1 -43.18,114.427 r0 bottom value=10K (schematic designator R806)
R806_SI6 "RC0805JR-0710KL" 0805R#1 -44.196,140.081 r0 bottom value=10K (schematic designator R806)
R807_SI1 "RC0805JR-0720RL" 0805R#1 -27.94,6.35 r0 bottom value=20 (schematic designator R807)
R807_SI2 "RC0805JR-0720RL" 0805R#1 -33.782,31.877 r0 bottom value=20 (schematic designator R807)
R807_SI3 "RC0805JR-0720RL" 0805R#1 -35.814,53.594 r0 bottom value=20 (schematic designator R807)
R807_SI4 "RC0805JR-0720RL" 0805R#1 -36.957,78.74 r0 bottom value=20 (schematic designator R807)
R807_SI5 "RC0805JR-0720RL" 0805R#1 -38.1,114.427 r0 bottom value=20 (schematic designator R807)
R807_SI6 "RC0805JR-0720RL" 0805R#1 -39.116,140.081 r0 bottom value=20 (schematic designator R807)
R808_SI1 "RC0805JR-0710KL" 0805R#1 -23.368,3.81 r0 bottom value=10K (schematic designator R808)
R808_SI2 "RC0805JR-0710KL" 0805R#1 -29.337,31.877 r0 bottom value=10K (schematic designator R808)
R808_SI3 "RC0805JR-0710KL" 0805R#1 -31.242,53.594 r0 bottom value=10K (schematic designator R808)
R808_SI4 "RC0805JR-0710KL" 0805R#1 -32.258,76.2 r0 bottom value=10K (schematic designator R808)
R808_SI5 "RC0805JR-0710KL" 0805R#1 -33.655,114.427 r0 bottom value=10K (schematic designator R808)
R808_SI6 "RC0805JR-0710KL" 0805R#1 -34.671,137.541 r0 bottom value=10K (schematic designator R808)
R809_SI1 "RC0805JR-0710KL" 0805R#1 -27.94,8.763 r180 bottom value=10K (schematic designator R809)
R809_SI2 "RC0805JR-0710KL" 0805R#1 -33.782,34.29 r180 bottom value=10K (schematic designator R809)
R809_SI3 "RC0805JR-0710KL" 0805R#1 -35.814,56.007 r180 bottom value=10K (schematic designator R809)
R809_SI4 "RC0805JR-0710KL" 0805R#1 -36.957,81.153 r180 bottom value=10K (schematic designator R809)
R809_SI5 "RC0805JR-0710KL" 0805R#1 -38.1,116.713 r180 bottom value=10K (schematic designator R809)
R809_SI6 "RC0805JR-0710KL" 0805R#1 -39.116,142.494 r180 bottom value=10K (schematic designator R809)
R810_SI1 "RC0805JR-0710KL" 0805R#1 -23.368,6.223 r0 bottom value=10K (schematic designator R810)
R810_SI2 "RC0805JR-0710KL" 0805R#1 -29.337,29.21 r0 bottom value=10K (schematic designator R810)
R810_SI3 "RC0805JR-0710KL" 0805R#1 -31.242,51.054 r0 bottom value=10K (schematic designator R810)
R810_SI4 "RC0805JR-0710KL" 0805R#1 -32.258,78.613 r0 bottom value=10K (schematic designator R810)
R810_SI5 "RC0805JR-0710KL" 0805R#1 -33.655,111.887 r0 bottom value=10K (schematic designator R810)
R810_SI6 "RC0805JR-0710KL" 0805R#1 -34.671,140.081 r0 bottom value=10K (schematic designator R810)
R811_SI1 "RC0805JR-0710KL" 0805R#1 -52.324,8.255 r180 bottom value=10K (schematic designator R811)
R811_SI2 "RC0805JR-0710KL" 0805R#1 -59.166,34.29 r180 bottom value=10K (schematic designator R811)
R811_SI3 "RC0805JR-0710KL" 0805R#1 -61.325,56.007 r180 bottom value=10K (schematic designator R811)
R811_SI4 "RC0805JR-0710KL" 0805R#1 -61.96,81.026 r180 bottom value=10K (schematic designator R811)
R811_SI5 "RC0805JR-0710KL" 0805R#1 -62.341,116.713 r180 bottom value=10K (schematic designator R811)
R811_SI6 "RC0805JR-0710KL" 0805R#1 -63.865,142.494 r180 bottom value=10K (schematic designator R811)
R812_SI1 "RC0805JR-0720RL" 0805R#1 -52.324,10.541 r180 bottom value=20 (schematic designator R812)
R812_SI2 "RC0805JR-0720RL" 0805R#1 -59.166,36.703 r180 bottom value=20 (schematic designator R812)
R812_SI3 "RC0805JR-0720RL" 0805R#1 -61.325,58.42 r180 bottom value=20 (schematic designator R812)
R812_SI4 "RC0805JR-0720RL" 0805R#1 -61.96,83.439 r180 bottom value=20 (schematic designator R812)
R812_SI5 "RC0805JR-0720RL" 0805R#1 -62.341,118.999 r180 bottom value=20 (schematic designator R812)
R812_SI6 "RC0805JR-0720RL" 0805R#1 -63.865,144.907 r180 bottom value=20 (schematic designator R812)
R813_SI1 "RC0805JR-0720RL" 0805R#1 -42.545,6.35 r180 bottom value=20 (schematic designator R813)
R813_SI2 "RC0805JR-0720RL" 0805R#1 -49.276,31.877 r180 bottom value=20 (schematic designator R813)
R813_SI3 "RC0805JR-0720RL" 0805R#1 -51.308,53.594 r180 bottom value=20 (schematic designator R813)
R813_SI4 "RC0805JR-0720RL" 0805R#1 -51.943,78.74 r180 bottom value=20 (schematic designator R813)
R813_SI5 "RC0805JR-0720RL" 0805R#1 -53.07,114.427 r180 bottom value=20 (schematic designator R813)
R813_SI6 "RC0805JR-0720RL" 0805R#1 -53.959,140.081 r180 bottom value=20 (schematic designator R813)
R814_SI1 "RC0805JR-0710KL" 0805R#1 -42.529,3.937 r180 bottom value=10K (schematic designator R814)
R814_SI2 "RC0805JR-0710KL" 0805R#1 -49.26,29.464 r180 bottom value=10K (schematic designator R814)
R814_SI3 "RC0805JR-0710KL" 0805R#1 -51.308,51.181 r180 bottom value=10K (schematic designator R814)
R814_SI4 "RC0805JR-0710KL" 0805R#1 -51.943,76.327 r180 bottom value=10K (schematic designator R814)
R814_SI5 "RC0805JR-0710KL" 0805R#1 -53.07,112.141 r180 bottom value=10K (schematic designator R814)
R814_SI6 "RC0805JR-0710KL" 0805R#1 -53.975,137.795 r180 bottom value=10K (schematic designator R814)
R815_SI1 "RC0805JR-07100RL" 0805R#1 -52.324,5.969 r0 bottom value=100R (schematic designator R815)
R815_SI2 "RC0805JR-07100RL" 0805R#1 -59.182,31.877 r0 bottom value=100R (schematic designator R815)
R815_SI3 "RC0805JR-07100RL" 0805R#1 -61.341,53.594 r0 bottom value=100R (schematic designator R815)
R815_SI4 "RC0805JR-07100RL" 0805R#1 -61.976,78.613 r0 bottom value=100R (schematic designator R815)
R815_SI5 "RC0805JR-07100RL" 0805R#1 -62.484,114.427 r0 bottom value=100R (schematic designator R815)
R815_SI6 "RC0805JR-07100RL" 0805R#1 -63.881,140.081 r0 bottom value=100R (schematic designator R815)
R816_SI1 "RC0805JR-071KL" 0805R#1 -52.308,1.651 r180 bottom value=1K (schematic designator R816)
R816_SI2 "RC0805JR-071KL" 0805R#1 -59.166,27.178 r180 bottom value=1K (schematic designator R816)
R816_SI3 "RC0805JR-071KL" 0805R#1 -61.325,48.895 r180 bottom value=1K (schematic designator R816)
R816_SI4 "RC0805JR-071KL" 0805R#1 -61.96,74.041 r180 bottom value=1K (schematic designator R816)
R816_SI5 "RC0805JR-071KL" 0805R#1 -62.357,109.728 r180 bottom value=1K (schematic designator R816)
R816_SI6 "RC0805JR-071KL" 0805R#1 -63.865,135.509 r180 bottom value=1K (schematic designator R816)
R817_SI1 "RC0805JR-071KL" 0805R#1 -56.642,1.651 r180 bottom value=1K (schematic designator R817)
R817_SI2 "RC0805JR-071KL" 0805R#1 -63.738,27.178 r180 bottom value=1K (schematic designator R817)
R817_SI3 "RC0805JR-071KL" 0805R#1 -66.151,48.895 r180 bottom value=1K (schematic designator R817)
R817_SI4 "RC0805JR-071KL" 0805R#1 -67.294,74.041 r180 bottom value=1K (schematic designator R817)
R817_SI5 "RC0805JR-071KL" 0805R#1 -66.913,109.728 r180 bottom value=1K (schematic designator R817)
R817_SI6 "RC0805JR-071KL" 0805R#1 -68.437,135.509 r180 bottom value=1K (schematic designator R817)
R818_SI1 "RC0805JR-07100RL" 0805R#1 -61.484,1.524 r0 bottom value=100R (schematic designator R818)
R818_SI2 "RC0805JR-07100RL" 0805R#1 -68.596,27.178 r0 bottom value=100R (schematic designator R818)
R818_SI3 "RC0805JR-07100RL" 0805R#1 -70.882,48.895 r0 bottom value=100R (schematic designator R818)
R818_SI4 "RC0805JR-07100RL" 0805R#1 -72.025,74.041 r0 bottom value=100R (schematic designator R818)
R818_SI5 "RC0805JR-07100RL" 0805R#1 -71.898,109.728 r0 bottom value=100R (schematic designator R818)
R818_SI6 "RC0805JR-07100RL" 0805R#1 -73.295,135.509 r0 bottom value=100R (schematic designator R818)
R819_SI1 "RC0805JR-07470RL" 0805R#1 15.494,4.556 r90 top value=470 (schematic designator R819)
R819_SI2 "RC0805JR-07470RL" 0805R#1 13.081,4.572 r90 top value=470 (schematic designator R819)
R819_SI3 "RC0805JR-07470RL" 0805R#1 8.255,4.556 r90 top value=470 (schematic designator R819)
R819_SI4 "RC0805JR-07470RL" 0805R#1 10.668,4.556 r90 top value=470 (schematic designator R819)
R819_SI5 "RC0805JR-07470RL" 0805R#1 3.429,4.556 r90 top value=470 (schematic designator R819)
R819_SI6 "RC0805JR-07470RL" 0805R#1 5.842,4.556 r90 top value=470 (schematic designator R819)
U1 "STC8H8K64U_QFN64" LQFP64S(12x12) 34.922,30.673 r45 top (schematic designator U201)
U301 "A05_S-1WR3" A_S-1WR3 3.175,82.296 r270 bottom
U302 "A05_S-1WR3" A_S-1WR3 12.446,82.296 r270 bottom
U303 "WRB_ST(SD)-3WR2" WRB_SD-3WR2 28.702,88.773 r0 bottom
U304 "A05_S-1WR3" A_S-1WR3 21.59,82.296 r270 bottom locked
U305 "A05_S-1WR3" A_S-1WR3 30.734,82.296 r270 bottom
U306 "LM1117IMP" SOT-223 43.561,91.694 r90 top
U307 "A05_S-1WR3" A_S-1WR3 39.878,82.296 r270 bottom
U308 "A05_S-1WR3" A_S-1WR3 49.149,82.296 r270 bottom
U309 "B0505ST16-W5" SOP16-1.27(V2) 59.026,98.425 r0 top
U310 "HCPL063A" SOIC-8 63.754,86.106 r180 top
U311 "TLP293-4" SO-16 63.317,69.723 r0 top
U312 "TLP293-4" SO-16 63.317,80.772 r0 top
U401 "ADM2582E" SOIC-20-W 53.745,53.594 r180 top
U601_VI1 "ADuM262N" SOIC-16(RI-16-2) 335.534,-334.01 r0 top (schematic designator U601)
U601_VI2 "ADuM262N" SOIC-16(RI-16-2) 354.076,-314.071 r0 top (schematic designator U601)
U601_VI3 "ADuM262N" SOIC-16(RI-16-2) 346.685,-295.275 r0 top (schematic designator U601)
U601_VI4 "ADuM262N" SOIC-16(RI-16-2) 438.531,-179.578 r0 top (schematic designator U601)
U601_VI5 "ADuM262N" SOIC-16(RI-16-2) 395.097,-262.382 r0 top (schematic designator U601)
U601_VI6 "ADuM262N" SOIC-16(RI-16-2) 412.496,-227.33 r0 top (schematic designator U601)
U602_VI1 "ADuM262N" SOIC-16(RI-16-2) 349.504,-334.01 r0 top (schematic designator U602)
U602_VI2 "ADuM262N" SOIC-16(RI-16-2) 368.046,-314.071 r0 top (schematic designator U602)
U602_VI3 "ADuM262N" SOIC-16(RI-16-2) 360.655,-295.275 r0 top (schematic designator U602)
U602_VI4 "ADuM262N" SOIC-16(RI-16-2) 452.603,-180.086 r0 top (schematic designator U602)
U602_VI5 "ADuM262N" SOIC-16(RI-16-2) 409.067,-262.382 r0 top (schematic designator U602)
U602_VI6 "ADuM262N" SOIC-16(RI-16-2) 426.466,-227.33 r0 top (schematic designator U602)
U603_VI1 "AD5753" CP-40-15(QFN40) 169.291,-330.962 r90 top (schematic designator U603)
U603_VI2 "AD5753" CP-40-15(QFN40) 181.229,-311.023 r90 top (schematic designator U603)
U603_VI3 "AD5753" CP-40-15(QFN40) 173.838,-292.227 r90 top (schematic designator U603)
U603_VI4 "AD5753" CP-40-15(QFN40) 265.786,-177.038 r90 top (schematic designator U603)
U603_VI5 "AD5753" CP-40-15(QFN40) 222.25,-259.334 r90 top (schematic designator U603)
U603_VI6 "AD5753" CP-40-15(QFN40) 239.649,-224.282 r90 top (schematic designator U603)
U604_VI1 "TL431" SOT-23-3 -158.623,-330.073 r90 top (schematic designator U604)
U604_VI2 "TL431" SOT-23-3 -159.893,-310.134 r90 top (schematic designator U604)
U604_VI3 "TL431" SOT-23-3 -167.284,-291.338 r90 top (schematic designator U604)
U604_VI4 "TL431" SOT-23-3 -75.336,-176.149 r90 top (schematic designator U604)
U604_VI5 "TL431" SOT-23-3 -118.872,-258.445 r90 top (schematic designator U604)
U604_VI6 "TL431" SOT-23-3 -101.473,-223.393 r90 top (schematic designator U604)
U605_VI1 "DAC8742H" S-PQFP-G32 -446.278,-331.597 r0 top (schematic designator U605)
U605_VI2 "DAC8742H" S-PQFP-G32 -459.232,-311.658 r0 top (schematic designator U605)
U605_VI3 "DAC8742H" S-PQFP-G32 -466.623,-292.862 r0 top (schematic designator U605)
U605_VI4 "DAC8742H" S-PQFP-G32 -374.675,-177.673 r0 top (schematic designator U605)
U605_VI5 "DAC8742H" S-PQFP-G32 -418.211,-259.969 r0 top (schematic designator U605)
U605_VI6 "DAC8742H" S-PQFP-G32 -400.812,-224.917 r0 top (schematic designator U605)
U701 "AD7124-8" TI-RHB32-3150X3150TP_V 41.402,12.7 r225 top
U702 "ADuM260N" SOIC-16 56.261,32.637 r270 bottom
U703 "ADuM260N" SOIC-16 56.261,48.893 r270 bottom
U704 "ADuM241D" SOIC-16 56.261,16.256 r270 bottom